# KiCad board badge.kicad_pcb (continued)
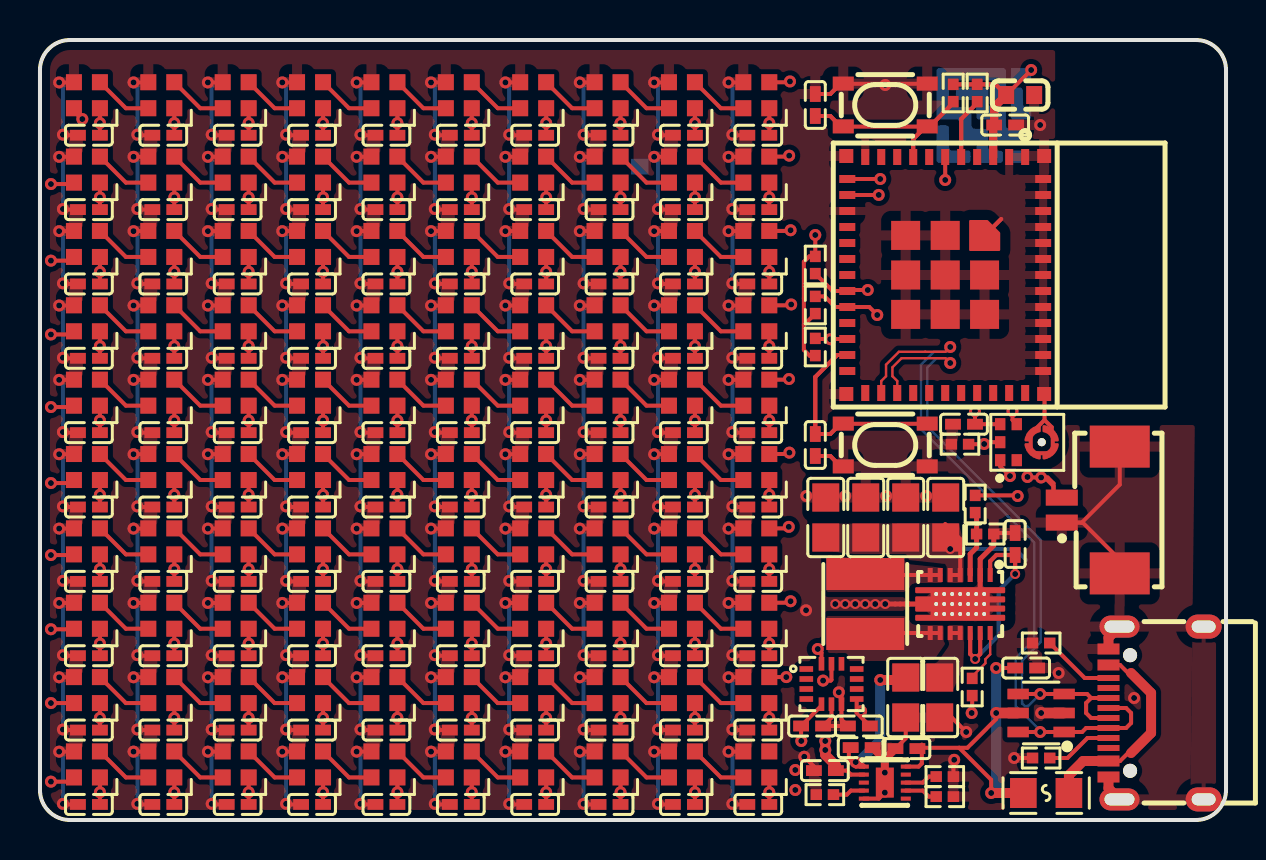
[diagram p0: board, top side]
## Library data of the parts (continued)
C28 = -: Datasheet: https://www.lcsc.com/datasheet/lcsc_datasheet_2304140030_Samsung-Electro-Mechanics-CL05B104KO5NNNC_C1525.pdf; checksum: dee2f3e8b3b5dcf7b72bbcb4e8c6e40185d754e15ce4224dccbc55d9ddeb3abe; __atopile_lib_fp_hash__: abd85f6b-95fa-ed5a-88fe-be39d3a76574; LCSC: C1525; Manufacturer: Samsung Electro-Mechanics; Partnumber: CL05B104KO5NNNC; PARAM_capacitance: {"type": "Quantity_Interval_Disjoint", "data": {"intervals": {"type": "Numeric_Interval_Disjoint", "data": {"intervals": [{"type": "Numeric_Interval", "data": {"min": 9e-08, "max": 1.1e-07}}]}}, "unit": "farad"}}; PARAM_max_voltage: {"type": "Quantity_Set_Discrete", "data": {"intervals": {"type": "Numeric_Interval_Disjoint", "data": {"intervals": [{"type": "Numeric_Interval", "data": {"min": 16.0, "max": 16.0}}]}}, "unit": "volt"}}; PARAM_temperature_coefficient: {"type": "EnumSet", "data": {"elements": [{"name": "X7R"}], "enum": {"name": "TemperatureCoefficient", "values": {"Y5V": 1, "Z5U": 2, "X7S": 3, "X5R": 4, "X6R": 5, "X7R": 6, "X8R": 7, "C0G": 8}}}}; atopile_address: led_grid.rows[2].leds[3].cap; atopile_subaddresses: [.ato/modules/atopile/addressable-leds/layouts/default/default.kicad_pcb:cap, layouts/grid100x100/grid100x100.kicad_pcb:rows[2].leds[3].cap, layouts/strip10/strip10.kicad_pcb:leds[3].cap]
C29 = -: Datasheet: https://www.lcsc.com/datasheet/lcsc_datasheet_2304140030_Samsung-Electro-Mechanics-CL05B104KO5NNNC_C1525.pdf; checksum: dee2f3e8b3b5dcf7b72bbcb4e8c6e40185d754e15ce4224dccbc55d9ddeb3abe; __atopile_lib_fp_hash__: abd85f6b-95fa-ed5a-88fe-be39d3a76574; LCSC: C1525; Manufacturer: Samsung Electro-Mechanics; Partnumber: CL05B104KO5NNNC; PARAM_capacitance: {"type": "Quantity_Interval_Disjoint", "data": {"intervals": {"type": "Numeric_Interval_Disjoint", "data": {"intervals": [{"type": "Numeric_Interval", "data": {"min": 9e-08, "max": 1.1e-07}}]}}, "unit": "farad"}}; PARAM_max_voltage: {"type": "Quantity_Set_Discrete", "data": {"intervals": {"type": "Numeric_Interval_Disjoint", "data": {"intervals": [{"type": "Numeric_Interval", "data": {"min": 16.0, "max": 16.0}}]}}, "unit": "volt"}}; PARAM_temperature_coefficient: {"type": "EnumSet", "data": {"elements": [{"name": "X7R"}], "enum": {"name": "TemperatureCoefficient", "values": {"Y5V": 1, "Z5U": 2, "X7S": 3, "X5R": 4, "X6R": 5, "X7R": 6, "X8R": 7, "C0G": 8}}}}; atopile_address: led_grid.rows[2].leds[4].cap; atopile_subaddresses: [.ato/modules/atopile/addressable-leds/layouts/default/default.kicad_pcb:cap, layouts/grid100x100/grid100x100.kicad_pcb:rows[2].leds[4].cap, layouts/strip10/strip10.kicad_pcb:leds[4].cap]
C30 = -: Datasheet: https://www.lcsc.com/datasheet/lcsc_datasheet_2304140030_Samsung-Electro-Mechanics-CL05B104KO5NNNC_C1525.pdf; checksum: dee2f3e8b3b5dcf7b72bbcb4e8c6e40185d754e15ce4224dccbc55d9ddeb3abe; __atopile_lib_fp_hash__: abd85f6b-95fa-ed5a-88fe-be39d3a76574; LCSC: C1525; Manufacturer: Samsung Electro-Mechanics; Partnumber: CL05B104KO5NNNC; PARAM_capacitance: {"type": "Quantity_Interval_Disjoint", "data": {"intervals": {"type": "Numeric_Interval_Disjoint", "data": {"intervals": [{"type": "Numeric_Interval", "data": {"min": 9e-08, "max": 1.1e-07}}]}}, "unit": "farad"}}; PARAM_max_voltage: {"type": "Quantity_Set_Discrete", "data": {"intervals": {"type": "Numeric_Interval_Disjoint", "data": {"intervals": [{"type": "Numeric_Interval", "data": {"min": 16.0, "max": 16.0}}]}}, "unit": "volt"}}; PARAM_temperature_coefficient: {"type": "EnumSet", "data": {"elements": [{"name": "X7R"}], "enum": {"name": "TemperatureCoefficient", "values": {"Y5V": 1, "Z5U": 2, "X7S": 3, "X5R": 4, "X6R": 5, "X7R": 6, "X8R": 7, "C0G": 8}}}}; atopile_address: led_grid.rows[2].leds[5].cap; atopile_subaddresses: [.ato/modules/atopile/addressable-leds/layouts/default/default.kicad_pcb:cap, layouts/grid100x100/grid100x100.kicad_pcb:rows[2].leds[5].cap, layouts/strip10/strip10.kicad_pcb:leds[5].cap]
C31 = -: Datasheet: https://www.lcsc.com/datasheet/lcsc_datasheet_2304140030_Samsung-Electro-Mechanics-CL05B104KO5NNNC_C1525.pdf; checksum: dee2f3e8b3b5dcf7b72bbcb4e8c6e40185d754e15ce4224dccbc55d9ddeb3abe; __atopile_lib_fp_hash__: abd85f6b-95fa-ed5a-88fe-be39d3a76574; LCSC: C1525; Manufacturer: Samsung Electro-Mechanics; Partnumber: CL05B104KO5NNNC; PARAM_capacitance: {"type": "Quantity_Interval_Disjoint", "data": {"intervals": {"type": "Numeric_Interval_Disjoint", "data": {"intervals": [{"type": "Numeric_Interval", "data": {"min": 9e-08, "max": 1.1e-07}}]}}, "unit": "farad"}}; PARAM_max_voltage: {"type": "Quantity_Set_Discrete", "data": {"intervals": {"type": "Numeric_Interval_Disjoint", "data": {"intervals": [{"type": "Numeric_Interval", "data": {"min": 16.0, "max": 16.0}}]}}, "unit": "volt"}}; PARAM_temperature_coefficient: {"type": "EnumSet", "data": {"elements": [{"name": "X7R"}], "enum": {"name": "TemperatureCoefficient", "values": {"Y5V": 1, "Z5U": 2, "X7S": 3, "X5R": 4, "X6R": 5, "X7R": 6, "X8R": 7, "C0G": 8}}}}; atopile_address: led_grid.rows[2].leds[6].cap; atopile_subaddresses: [.ato/modules/atopile/addressable-leds/layouts/default/default.kicad_pcb:cap, layouts/grid100x100/grid100x100.kicad_pcb:rows[2].leds[6].cap, layouts/strip10/strip10.kicad_pcb:leds[6].cap]
C32 = -: Datasheet: https://www.lcsc.com/datasheet/lcsc_datasheet_2304140030_Samsung-Electro-Mechanics-CL05B104KO5NNNC_C1525.pdf; checksum: dee2f3e8b3b5dcf7b72bbcb4e8c6e40185d754e15ce4224dccbc55d9ddeb3abe; __atopile_lib_fp_hash__: abd85f6b-95fa-ed5a-88fe-be39d3a76574; LCSC: C1525; Manufacturer: Samsung Electro-Mechanics; Partnumber: CL05B104KO5NNNC; PARAM_capacitance: {"type": "Quantity_Interval_Disjoint", "data": {"intervals": {"type": "Numeric_Interval_Disjoint", "data": {"intervals": [{"type": "Numeric_Interval", "data": {"min": 9e-08, "max": 1.1e-07}}]}}, "unit": "farad"}}; PARAM_max_voltage: {"type": "Quantity_Set_Discrete", "data": {"intervals": {"type": "Numeric_Interval_Disjoint", "data": {"intervals": [{"type": "Numeric_Interval", "data": {"min": 16.0, "max": 16.0}}]}}, "unit": "volt"}}; PARAM_temperature_coefficient: {"type": "EnumSet", "data": {"elements": [{"name": "X7R"}], "enum": {"name": "TemperatureCoefficient", "values": {"Y5V": 1, "Z5U": 2, "X7S": 3, "X5R": 4, "X6R": 5, "X7R": 6, "X8R": 7, "C0G": 8}}}}; atopile_address: led_grid.rows[2].leds[7].cap; atopile_subaddresses: [.ato/modules/atopile/addressable-leds/layouts/default/default.kicad_pcb:cap, layouts/grid100x100/grid100x100.kicad_pcb:rows[2].leds[7].cap, layouts/strip10/strip10.kicad_pcb:leds[7].cap]
C33 = -: Datasheet: https://www.lcsc.com/datasheet/lcsc_datasheet_2304140030_Samsung-Electro-Mechanics-CL05B104KO5NNNC_C1525.pdf; checksum: dee2f3e8b3b5dcf7b72bbcb4e8c6e40185d754e15ce4224dccbc55d9ddeb3abe; __atopile_lib_fp_hash__: abd85f6b-95fa-ed5a-88fe-be39d3a76574; LCSC: C1525; Manufacturer: Samsung Electro-Mechanics; Partnumber: CL05B104KO5NNNC; PARAM_capacitance: {"type": "Quantity_Interval_Disjoint", "data": {"intervals": {"type": "Numeric_Interval_Disjoint", "data": {"intervals": [{"type": "Numeric_Interval", "data": {"min": 9e-08, "max": 1.1e-07}}]}}, "unit": "farad"}}; PARAM_max_voltage: {"type": "Quantity_Set_Discrete", "data": {"intervals": {"type": "Numeric_Interval_Disjoint", "data": {"intervals": [{"type": "Numeric_Interval", "data": {"min": 16.0, "max": 16.0}}]}}, "unit": "volt"}}; PARAM_temperature_coefficient: {"type": "EnumSet", "data": {"elements": [{"name": "X7R"}], "enum": {"name": "TemperatureCoefficient", "values": {"Y5V": 1, "Z5U": 2, "X7S": 3, "X5R": 4, "X6R": 5, "X7R": 6, "X8R": 7, "C0G": 8}}}}; atopile_address: led_grid.rows[2].leds[8].cap; atopile_subaddresses: [.ato/modules/atopile/addressable-leds/layouts/default/default.kicad_pcb:cap, layouts/grid100x100/grid100x100.kicad_pcb:rows[2].leds[8].cap, layouts/strip10/strip10.kicad_pcb:leds[8].cap]
C34 = -: Datasheet: https://www.lcsc.com/datasheet/lcsc_datasheet_2304140030_Samsung-Electro-Mechanics-CL05B104KO5NNNC_C1525.pdf; checksum: dee2f3e8b3b5dcf7b72bbcb4e8c6e40185d754e15ce4224dccbc55d9ddeb3abe; __atopile_lib_fp_hash__: abd85f6b-95fa-ed5a-88fe-be39d3a76574; LCSC: C1525; Manufacturer: Samsung Electro-Mechanics; Partnumber: CL05B104KO5NNNC; PARAM_capacitance: {"type": "Quantity_Interval_Disjoint", "data": {"intervals": {"type": "Numeric_Interval_Disjoint", "data": {"intervals": [{"type": "Numeric_Interval", "data": {"min": 9e-08, "max": 1.1e-07}}]}}, "unit": "farad"}}; PARAM_max_voltage: {"type": "Quantity_Set_Discrete", "data": {"intervals": {"type": "Numeric_Interval_Disjoint", "data": {"intervals": [{"type": "Numeric_Interval", "data": {"min": 16.0, "max": 16.0}}]}}, "unit": "volt"}}; PARAM_temperature_coefficient: {"type": "EnumSet", "data": {"elements": [{"name": "X7R"}], "enum": {"name": "TemperatureCoefficient", "values": {"Y5V": 1, "Z5U": 2, "X7S": 3, "X5R": 4, "X6R": 5, "X7R": 6, "X8R": 7, "C0G": 8}}}}; atopile_address: led_grid.rows[2].leds[9].cap; atopile_subaddresses: [.ato/modules/atopile/addressable-leds/layouts/default/default.kicad_pcb:cap, layouts/grid100x100/grid100x100.kicad_pcb:rows[2].leds[9].cap, layouts/strip10/strip10.kicad_pcb:leds[9].cap]
C35 = -: Datasheet: https://www.lcsc.com/datasheet/lcsc_datasheet_2304140030_Samsung-Electro-Mechanics-CL05B104KO5NNNC_C1525.pdf; checksum: dee2f3e8b3b5dcf7b72bbcb4e8c6e40185d754e15ce4224dccbc55d9ddeb3abe; __atopile_lib_fp_hash__: abd85f6b-95fa-ed5a-88fe-be39d3a76574; LCSC: C1525; Manufacturer: Samsung Electro-Mechanics; Partnumber: CL05B104KO5NNNC; PARAM_capacitance: {"type": "Quantity_Interval_Disjoint", "data": {"intervals": {"type": "Numeric_Interval_Disjoint", "data": {"intervals": [{"type": "Numeric_Interval", "data": {"min": 9e-08, "max": 1.1e-07}}]}}, "unit": "farad"}}; PARAM_max_voltage: {"type": "Quantity_Set_Discrete", "data": {"intervals": {"type": "Numeric_Interval_Disjoint", "data": {"intervals": [{"type": "Numeric_Interval", "data": {"min": 16.0, "max": 16.0}}]}}, "unit": "volt"}}; PARAM_temperature_coefficient: {"type": "EnumSet", "data": {"elements": [{"name": "X7R"}], "enum": {"name": "TemperatureCoefficient", "values": {"Y5V": 1, "Z5U": 2, "X7S": 3, "X5R": 4, "X6R": 5, "X7R": 6, "X8R": 7, "C0G": 8}}}}; atopile_address: led_grid.rows[3].leds[0].cap; atopile_subaddresses: [.ato/modules/atopile/addressable-leds/layouts/default/default.kicad_pcb:cap, layouts/grid100x100/grid100x100.kicad_pcb:rows[3].leds[0].cap, layouts/strip10/strip10.kicad_pcb:leds[0].cap]
C36 = -: Datasheet: https://www.lcsc.com/datasheet/lcsc_datasheet_2304140030_Samsung-Electro-Mechanics-CL05B104KO5NNNC_C1525.pdf; checksum: dee2f3e8b3b5dcf7b72bbcb4e8c6e40185d754e15ce4224dccbc55d9ddeb3abe; __atopile_lib_fp_hash__: abd85f6b-95fa-ed5a-88fe-be39d3a76574; LCSC: C1525; Manufacturer: Samsung Electro-Mechanics; Partnumber: CL05B104KO5NNNC; PARAM_capacitance: {"type": "Quantity_Interval_Disjoint", "data": {"intervals": {"type": "Numeric_Interval_Disjoint", "data": {"intervals": [{"type": "Numeric_Interval", "data": {"min": 9e-08, "max": 1.1e-07}}]}}, "unit": "farad"}}; PARAM_max_voltage: {"type": "Quantity_Set_Discrete", "data": {"intervals": {"type": "Numeric_Interval_Disjoint", "data": {"intervals": [{"type": "Numeric_Interval", "data": {"min": 16.0, "max": 16.0}}]}}, "unit": "volt"}}; PARAM_temperature_coefficient: {"type": "EnumSet", "data": {"elements": [{"name": "X7R"}], "enum": {"name": "TemperatureCoefficient", "values": {"Y5V": 1, "Z5U": 2, "X7S": 3, "X5R": 4, "X6R": 5, "X7R": 6, "X8R": 7, "C0G": 8}}}}; atopile_address: led_grid.rows[3].leds[1].cap; atopile_subaddresses: [.ato/modules/atopile/addressable-leds/layouts/default/default.kicad_pcb:cap, layouts/grid100x100/grid100x100.kicad_pcb:rows[3].leds[1].cap, layouts/strip10/strip10.kicad_pcb:leds[1].cap]
C37 = -: Datasheet: https://www.lcsc.com/datasheet/lcsc_datasheet_2304140030_Samsung-Electro-Mechanics-CL05B104KO5NNNC_C1525.pdf; checksum: dee2f3e8b3b5dcf7b72bbcb4e8c6e40185d754e15ce4224dccbc55d9ddeb3abe; __atopile_lib_fp_hash__: abd85f6b-95fa-ed5a-88fe-be39d3a76574; LCSC: C1525; Manufacturer: Samsung Electro-Mechanics; Partnumber: CL05B104KO5NNNC; PARAM_capacitance: {"type": "Quantity_Interval_Disjoint", "data": {"intervals": {"type": "Numeric_Interval_Disjoint", "data": {"intervals": [{"type": "Numeric_Interval", "data": {"min": 9e-08, "max": 1.1e-07}}]}}, "unit": "farad"}}; PARAM_max_voltage: {"type": "Quantity_Set_Discrete", "data": {"intervals": {"type": "Numeric_Interval_Disjoint", "data": {"intervals": [{"type": "Numeric_Interval", "data": {"min": 16.0, "max": 16.0}}]}}, "unit": "volt"}}; PARAM_temperature_coefficient: {"type": "EnumSet", "data": {"elements": [{"name": "X7R"}], "enum": {"name": "TemperatureCoefficient", "values": {"Y5V": 1, "Z5U": 2, "X7S": 3, "X5R": 4, "X6R": 5, "X7R": 6, "X8R": 7, "C0G": 8}}}}; atopile_address: led_grid.rows[3].leds[2].cap; atopile_subaddresses: [.ato/modules/atopile/addressable-leds/layouts/default/default.kicad_pcb:cap, layouts/grid100x100/grid100x100.kicad_pcb:rows[3].leds[2].cap, layouts/strip10/strip10.kicad_pcb:leds[2].cap]
C38 = -: Datasheet: https://www.lcsc.com/datasheet/lcsc_datasheet_2304140030_Samsung-Electro-Mechanics-CL05B104KO5NNNC_C1525.pdf; checksum: dee2f3e8b3b5dcf7b72bbcb4e8c6e40185d754e15ce4224dccbc55d9ddeb3abe; __atopile_lib_fp_hash__: abd85f6b-95fa-ed5a-88fe-be39d3a76574; LCSC: C1525; Manufacturer: Samsung Electro-Mechanics; Partnumber: CL05B104KO5NNNC; PARAM_capacitance: {"type": "Quantity_Interval_Disjoint", "data": {"intervals": {"type": "Numeric_Interval_Disjoint", "data": {"intervals": [{"type": "Numeric_Interval", "data": {"min": 9e-08, "max": 1.1e-07}}]}}, "unit": "farad"}}; PARAM_max_voltage: {"type": "Quantity_Set_Discrete", "data": {"intervals": {"type": "Numeric_Interval_Disjoint", "data": {"intervals": [{"type": "Numeric_Interval", "data": {"min": 16.0, "max": 16.0}}]}}, "unit": "volt"}}; PARAM_temperature_coefficient: {"type": "EnumSet", "data": {"elements": [{"name": "X7R"}], "enum": {"name": "TemperatureCoefficient", "values": {"Y5V": 1, "Z5U": 2, "X7S": 3, "X5R": 4, "X6R": 5, "X7R": 6, "X8R": 7, "C0G": 8}}}}; atopile_address: led_grid.rows[3].leds[3].cap; atopile_subaddresses: [.ato/modules/atopile/addressable-leds/layouts/default/default.kicad_pcb:cap, layouts/grid100x100/grid100x100.kicad_pcb:rows[3].leds[3].cap, layouts/strip10/strip10.kicad_pcb:leds[3].cap]
C39 = -: Datasheet: https://www.lcsc.com/datasheet/lcsc_datasheet_2304140030_Samsung-Electro-Mechanics-CL05B104KO5NNNC_C1525.pdf; checksum: dee2f3e8b3b5dcf7b72bbcb4e8c6e40185d754e15ce4224dccbc55d9ddeb3abe; __atopile_lib_fp_hash__: abd85f6b-95fa-ed5a-88fe-be39d3a76574; LCSC: C1525; Manufacturer: Samsung Electro-Mechanics; Partnumber: CL05B104KO5NNNC; PARAM_capacitance: {"type": "Quantity_Interval_Disjoint", "data": {"intervals": {"type": "Numeric_Interval_Disjoint", "data": {"intervals": [{"type": "Numeric_Interval", "data": {"min": 9e-08, "max": 1.1e-07}}]}}, "unit": "farad"}}; PARAM_max_voltage: {"type": "Quantity_Set_Discrete", "data": {"intervals": {"type": "Numeric_Interval_Disjoint", "data": {"intervals": [{"type": "Numeric_Interval", "data": {"min": 16.0, "max": 16.0}}]}}, "unit": "volt"}}; PARAM_temperature_coefficient: {"type": "EnumSet", "data": {"elements": [{"name": "X7R"}], "enum": {"name": "TemperatureCoefficient", "values": {"Y5V": 1, "Z5U": 2, "X7S": 3, "X5R": 4, "X6R": 5, "X7R": 6, "X8R": 7, "C0G": 8}}}}; atopile_address: led_grid.rows[3].leds[4].cap; atopile_subaddresses: [.ato/modules/atopile/addressable-leds/layouts/default/default.kicad_pcb:cap, layouts/grid100x100/grid100x100.kicad_pcb:rows[3].leds[4].cap, layouts/strip10/strip10.kicad_pcb:leds[4].cap]
C40 = -: Datasheet: https://www.lcsc.com/datasheet/lcsc_datasheet_2304140030_Samsung-Electro-Mechanics-CL05B104KO5NNNC_C1525.pdf; checksum: dee2f3e8b3b5dcf7b72bbcb4e8c6e40185d754e15ce4224dccbc55d9ddeb3abe; __atopile_lib_fp_hash__: abd85f6b-95fa-ed5a-88fe-be39d3a76574; LCSC: C1525; Manufacturer: Samsung Electro-Mechanics; Partnumber: CL05B104KO5NNNC; PARAM_capacitance: {"type": "Quantity_Interval_Disjoint", "data": {"intervals": {"type": "Numeric_Interval_Disjoint", "data": {"intervals": [{"type": "Numeric_Interval", "data": {"min": 9e-08, "max": 1.1e-07}}]}}, "unit": "farad"}}; PARAM_max_voltage: {"type": "Quantity_Set_Discrete", "data": {"intervals": {"type": "Numeric_Interval_Disjoint", "data": {"intervals": [{"type": "Numeric_Interval", "data": {"min": 16.0, "max": 16.0}}]}}, "unit": "volt"}}; PARAM_temperature_coefficient: {"type": "EnumSet", "data": {"elements": [{"name": "X7R"}], "enum": {"name": "TemperatureCoefficient", "values": {"Y5V": 1, "Z5U": 2, "X7S": 3, "X5R": 4, "X6R": 5, "X7R": 6, "X8R": 7, "C0G": 8}}}}; atopile_address: led_grid.rows[3].leds[5].cap; atopile_subaddresses: [.ato/modules/atopile/addressable-leds/layouts/default/default.kicad_pcb:cap, layouts/grid100x100/grid100x100.kicad_pcb:rows[3].leds[5].cap, layouts/strip10/strip10.kicad_pcb:leds[5].cap]
C41 = -: Datasheet: https://www.lcsc.com/datasheet/lcsc_datasheet_2304140030_Samsung-Electro-Mechanics-CL05B104KO5NNNC_C1525.pdf; checksum: dee2f3e8b3b5dcf7b72bbcb4e8c6e40185d754e15ce4224dccbc55d9ddeb3abe; __atopile_lib_fp_hash__: abd85f6b-95fa-ed5a-88fe-be39d3a76574; LCSC: C1525; Manufacturer: Samsung Electro-Mechanics; Partnumber: CL05B104KO5NNNC; PARAM_capacitance: {"type": "Quantity_Interval_Disjoint", "data": {"intervals": {"type": "Numeric_Interval_Disjoint", "data": {"intervals": [{"type": "Numeric_Interval", "data": {"min": 9e-08, "max": 1.1e-07}}]}}, "unit": "farad"}}; PARAM_max_voltage: {"type": "Quantity_Set_Discrete", "data": {"intervals": {"type": "Numeric_Interval_Disjoint", "data": {"intervals": [{"type": "Numeric_Interval", "data": {"min": 16.0, "max": 16.0}}]}}, "unit": "volt"}}; PARAM_temperature_coefficient: {"type": "EnumSet", "data": {"elements": [{"name": "X7R"}], "enum": {"name": "TemperatureCoefficient", "values": {"Y5V": 1, "Z5U": 2, "X7S": 3, "X5R": 4, "X6R": 5, "X7R": 6, "X8R": 7, "C0G": 8}}}}; atopile_address: led_grid.rows[3].leds[6].cap; atopile_subaddresses: [.ato/modules/atopile/addressable-leds/layouts/default/default.kicad_pcb:cap, layouts/grid100x100/grid100x100.kicad_pcb:rows[3].leds[6].cap, layouts/strip10/strip10.kicad_pcb:leds[6].cap]
C42 = -: Datasheet: https://www.lcsc.com/datasheet/lcsc_datasheet_2304140030_Samsung-Electro-Mechanics-CL05B104KO5NNNC_C1525.pdf; checksum: dee2f3e8b3b5dcf7b72bbcb4e8c6e40185d754e15ce4224dccbc55d9ddeb3abe; __atopile_lib_fp_hash__: abd85f6b-95fa-ed5a-88fe-be39d3a76574; LCSC: C1525; Manufacturer: Samsung Electro-Mechanics; Partnumber: CL05B104KO5NNNC; PARAM_capacitance: {"type": "Quantity_Interval_Disjoint", "data": {"intervals": {"type": "Numeric_Interval_Disjoint", "data": {"intervals": [{"type": "Numeric_Interval", "data": {"min": 9e-08, "max": 1.1e-07}}]}}, "unit": "farad"}}; PARAM_max_voltage: {"type": "Quantity_Set_Discrete", "data": {"intervals": {"type": "Numeric_Interval_Disjoint", "data": {"intervals": [{"type": "Numeric_Interval", "data": {"min": 16.0, "max": 16.0}}]}}, "unit": "volt"}}; PARAM_temperature_coefficient: {"type": "EnumSet", "data": {"elements": [{"name": "X7R"}], "enum": {"name": "TemperatureCoefficient", "values": {"Y5V": 1, "Z5U": 2, "X7S": 3, "X5R": 4, "X6R": 5, "X7R": 6, "X8R": 7, "C0G": 8}}}}; atopile_address: led_grid.rows[3].leds[7].cap; atopile_subaddresses: [.ato/modules/atopile/addressable-leds/layouts/default/default.kicad_pcb:cap, layouts/grid100x100/grid100x100.kicad_pcb:rows[3].leds[7].cap, layouts/strip10/strip10.kicad_pcb:leds[7].cap]
C43 = -: Datasheet: https://www.lcsc.com/datasheet/lcsc_datasheet_2304140030_Samsung-Electro-Mechanics-CL05B104KO5NNNC_C1525.pdf; checksum: dee2f3e8b3b5dcf7b72bbcb4e8c6e40185d754e15ce4224dccbc55d9ddeb3abe; __atopile_lib_fp_hash__: abd85f6b-95fa-ed5a-88fe-be39d3a76574; LCSC: C1525; Manufacturer: Samsung Electro-Mechanics; Partnumber: CL05B104KO5NNNC; PARAM_capacitance: {"type": "Quantity_Interval_Disjoint", "data": {"intervals": {"type": "Numeric_Interval_Disjoint", "data": {"intervals": [{"type": "Numeric_Interval", "data": {"min": 9e-08, "max": 1.1e-07}}]}}, "unit": "farad"}}; PARAM_max_voltage: {"type": "Quantity_Set_Discrete", "data": {"intervals": {"type": "Numeric_Interval_Disjoint", "data": {"intervals": [{"type": "Numeric_Interval", "data": {"min": 16.0, "max": 16.0}}]}}, "unit": "volt"}}; PARAM_temperature_coefficient: {"type": "EnumSet", "data": {"elements": [{"name": "X7R"}], "enum": {"name": "TemperatureCoefficient", "values": {"Y5V": 1, "Z5U": 2, "X7S": 3, "X5R": 4, "X6R": 5, "X7R": 6, "X8R": 7, "C0G": 8}}}}; atopile_address: led_grid.rows[3].leds[8].cap; atopile_subaddresses: [.ato/modules/atopile/addressable-leds/layouts/default/default.kicad_pcb:cap, layouts/grid100x100/grid100x100.kicad_pcb:rows[3].leds[8].cap, layouts/strip10/strip10.kicad_pcb:leds[8].cap]
C44 = -: Datasheet: https://www.lcsc.com/datasheet/lcsc_datasheet_2304140030_Samsung-Electro-Mechanics-CL05B104KO5NNNC_C1525.pdf; checksum: dee2f3e8b3b5dcf7b72bbcb4e8c6e40185d754e15ce4224dccbc55d9ddeb3abe; __atopile_lib_fp_hash__: abd85f6b-95fa-ed5a-88fe-be39d3a76574; LCSC: C1525; Manufacturer: Samsung Electro-Mechanics; Partnumber: CL05B104KO5NNNC; PARAM_capacitance: {"type": "Quantity_Interval_Disjoint", "data": {"intervals": {"type": "Numeric_Interval_Disjoint", "data": {"intervals": [{"type": "Numeric_Interval", "data": {"min": 9e-08, "max": 1.1e-07}}]}}, "unit": "farad"}}; PARAM_max_voltage: {"type": "Quantity_Set_Discrete", "data": {"intervals": {"type": "Numeric_Interval_Disjoint", "data": {"intervals": [{"type": "Numeric_Interval", "data": {"min": 16.0, "max": 16.0}}]}}, "unit": "volt"}}; PARAM_temperature_coefficient: {"type": "EnumSet", "data": {"elements": [{"name": "X7R"}], "enum": {"name": "TemperatureCoefficient", "values": {"Y5V": 1, "Z5U": 2, "X7S": 3, "X5R": 4, "X6R": 5, "X7R": 6, "X8R": 7, "C0G": 8}}}}; atopile_address: led_grid.rows[3].leds[9].cap; atopile_subaddresses: [.ato/modules/atopile/addressable-leds/layouts/default/default.kicad_pcb:cap, layouts/grid100x100/grid100x100.kicad_pcb:rows[3].leds[9].cap, layouts/strip10/strip10.kicad_pcb:leds[9].cap]
C45 = -: Datasheet: https://www.lcsc.com/datasheet/lcsc_datasheet_2304140030_Samsung-Electro-Mechanics-CL05B104KO5NNNC_C1525.pdf; checksum: dee2f3e8b3b5dcf7b72bbcb4e8c6e40185d754e15ce4224dccbc55d9ddeb3abe; __atopile_lib_fp_hash__: abd85f6b-95fa-ed5a-88fe-be39d3a76574; LCSC: C1525; Manufacturer: Samsung Electro-Mechanics; Partnumber: CL05B104KO5NNNC; PARAM_capacitance: {"type": "Quantity_Interval_Disjoint", "data": {"intervals": {"type": "Numeric_Interval_Disjoint", "data": {"intervals": [{"type": "Numeric_Interval", "data": {"min": 9e-08, "max": 1.1e-07}}]}}, "unit": "farad"}}; PARAM_max_voltage: {"type": "Quantity_Set_Discrete", "data": {"intervals": {"type": "Numeric_Interval_Disjoint", "data": {"intervals": [{"type": "Numeric_Interval", "data": {"min": 16.0, "max": 16.0}}]}}, "unit": "volt"}}; PARAM_temperature_coefficient: {"type": "EnumSet", "data": {"elements": [{"name": "X7R"}], "enum": {"name": "TemperatureCoefficient", "values": {"Y5V": 1, "Z5U": 2, "X7S": 3, "X5R": 4, "X6R": 5, "X7R": 6, "X8R": 7, "C0G": 8}}}}; atopile_address: led_grid.rows[4].leds[0].cap; atopile_subaddresses: [.ato/modules/atopile/addressable-leds/layouts/default/default.kicad_pcb:cap, layouts/grid100x100/grid100x100.kicad_pcb:rows[4].leds[0].cap, layouts/strip10/strip10.kicad_pcb:leds[0].cap]
C46 = -: Datasheet: https://www.lcsc.com/datasheet/lcsc_datasheet_2304140030_Samsung-Electro-Mechanics-CL05B104KO5NNNC_C1525.pdf; checksum: dee2f3e8b3b5dcf7b72bbcb4e8c6e40185d754e15ce4224dccbc55d9ddeb3abe; __atopile_lib_fp_hash__: abd85f6b-95fa-ed5a-88fe-be39d3a76574; LCSC: C1525; Manufacturer: Samsung Electro-Mechanics; Partnumber: CL05B104KO5NNNC; PARAM_capacitance: {"type": "Quantity_Interval_Disjoint", "data": {"intervals": {"type": "Numeric_Interval_Disjoint", "data": {"intervals": [{"type": "Numeric_Interval", "data": {"min": 9e-08, "max": 1.1e-07}}]}}, "unit": "farad"}}; PARAM_max_voltage: {"type": "Quantity_Set_Discrete", "data": {"intervals": {"type": "Numeric_Interval_Disjoint", "data": {"intervals": [{"type": "Numeric_Interval", "data": {"min": 16.0, "max": 16.0}}]}}, "unit": "volt"}}; PARAM_temperature_coefficient: {"type": "EnumSet", "data": {"elements": [{"name": "X7R"}], "enum": {"name": "TemperatureCoefficient", "values": {"Y5V": 1, "Z5U": 2, "X7S": 3, "X5R": 4, "X6R": 5, "X7R": 6, "X8R": 7, "C0G": 8}}}}; atopile_address: led_grid.rows[4].leds[1].cap; atopile_subaddresses: [.ato/modules/atopile/addressable-leds/layouts/default/default.kicad_pcb:cap, layouts/grid100x100/grid100x100.kicad_pcb:rows[4].leds[1].cap, layouts/strip10/strip10.kicad_pcb:leds[1].cap]